# KiCad board clarinoid-devboard.kicad_pcb (continued)
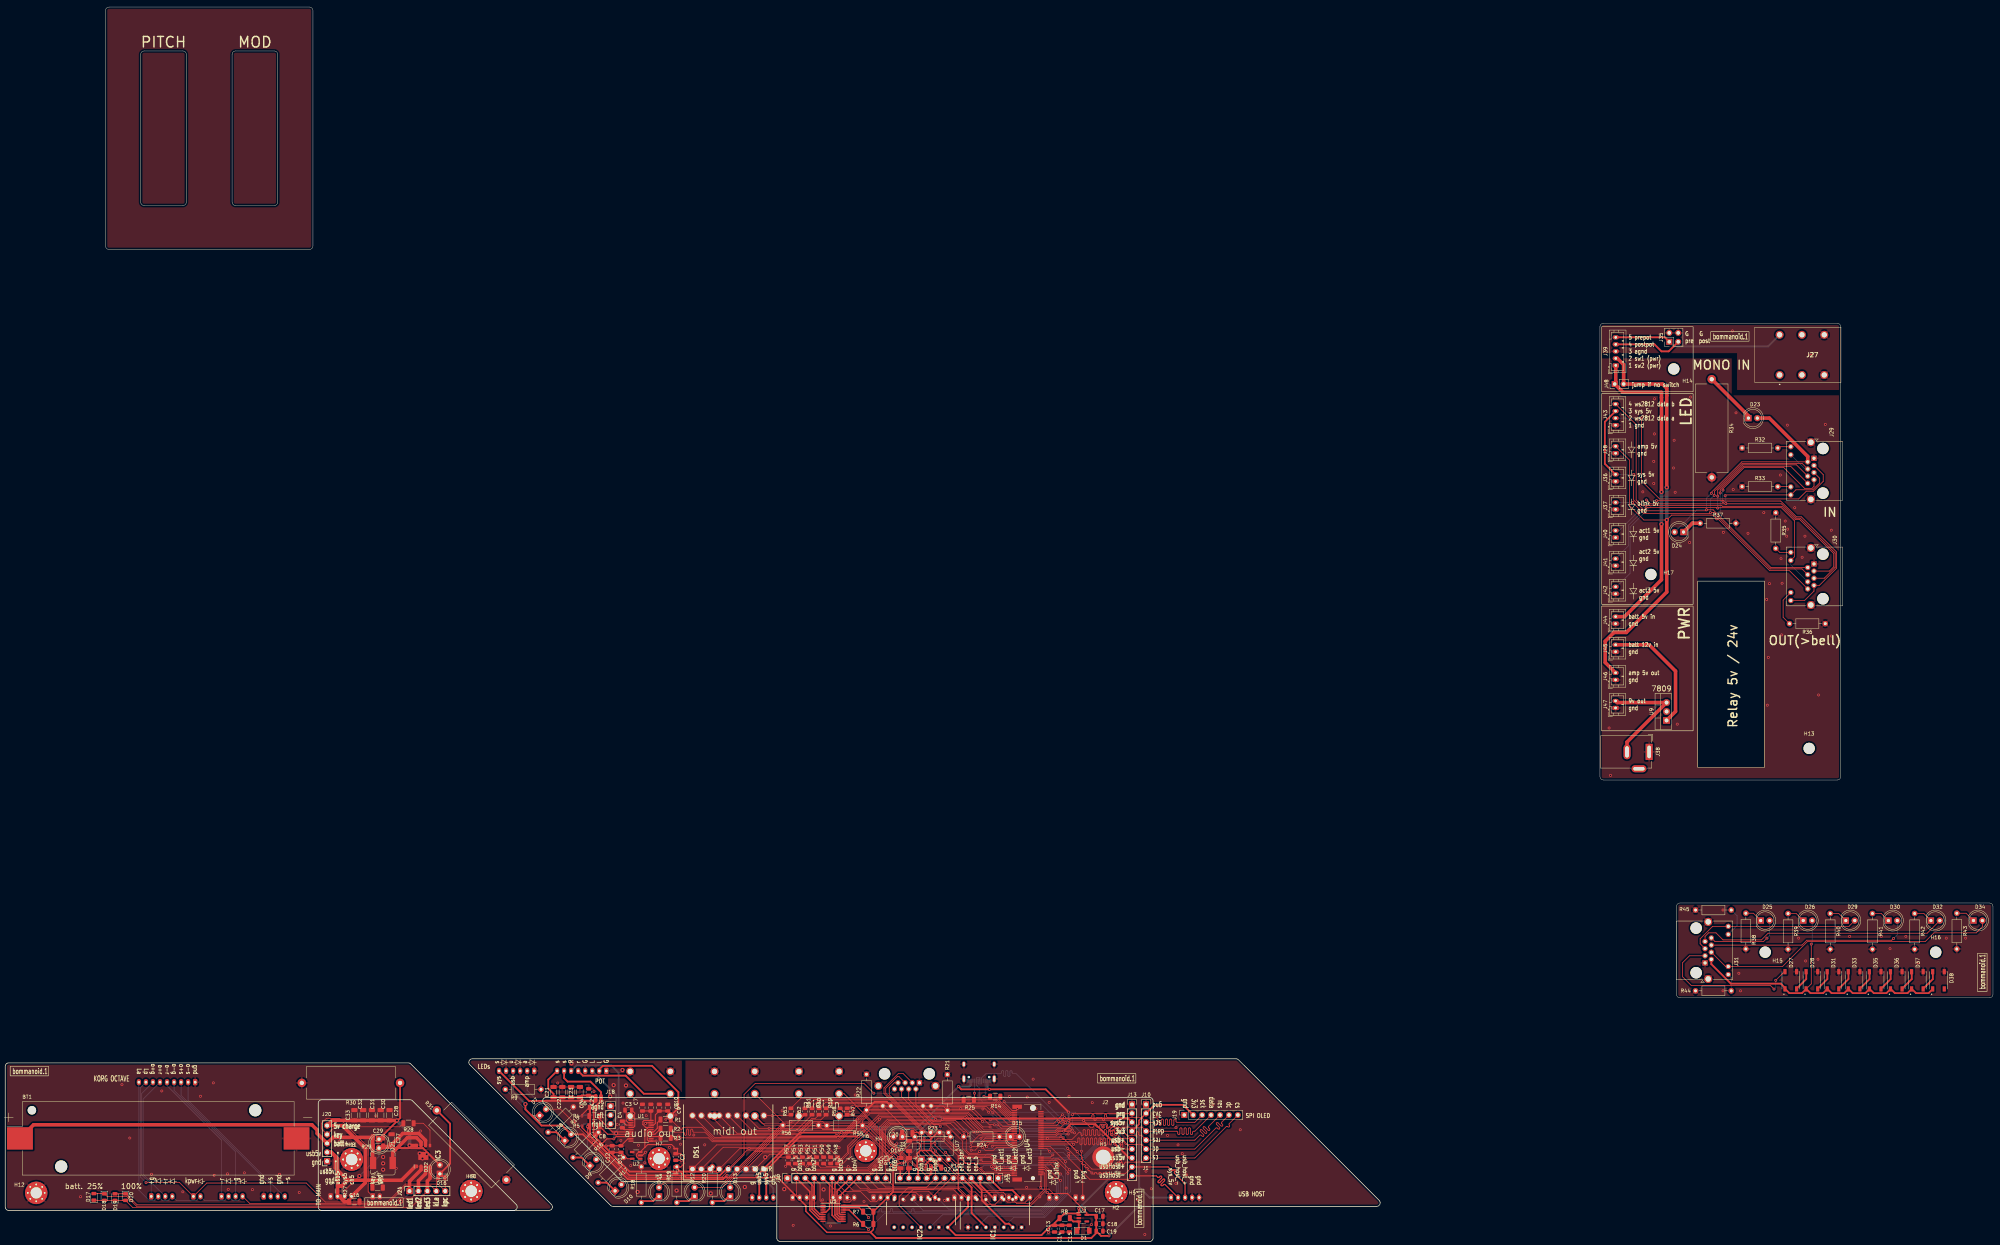
[diagram p0: board, top side]
## Routing (per net, layer and track width the routed paths; a pad name or vN(x,y) marks a point on that pad's centre or on a via; arc(x,y) is an arc through that point) (continued)
/bommanoid_main_top/oled_sck: length 58.9
  Top w0.2: 324.42,34 323.12,35.3 313.52,35.3 arc(313.31,35.39) 313.22,35.6 313.22,35.94 arc(313.13,36.16) 312.92,36.24 arc(312.71,36.16) 312.62,35.94 312.62,34.66 arc(312.53,34.44) 312.32,34.36 arc(312.11,34.44) 312.02,34.66 312.02,35 arc(311.93,35.21) 311.72,35.3 310.52,35.3 arc(310.31,35.21) 310.22,35 310.22,34.74 arc(310.13,34.53) 309.92,34.44 arc(309.71,34.53) 309.62,34.74 309.62,35.86 arc(309.53,36.07) 309.32,36.16 arc(309.11,36.07) 309.02,35.86 309.02,35.6 arc(308.93,35.39) 308.72,35.3 303.36,35.3 v1(302.46,34.4) ; U4.57 283.71,32.75 281.86,34.6 v1(280.07,34.6)
  Bottom w0.2: v1(280.07,34.6) 280.38,34.3 301.01,34.3 301.27,34.56 302.29,34.56 v1(302.46,34.4)
/bommanoid_main_top/prg: length 59.6
  Top w0.2: v1(277.47,23.2) 277.97,22.7 280.68,22.7 282.13,21.25 U4.11
  Bottom w0.2: v1(277.47,23.2) 279.2,24.93 297.23,24.93 297.63,25.34 300.9,25.34 301.87,24.37 306.68,24.37 318.77,36.46 J2.2
/bommanoid_main_top/sys_5v: length 135
  Top w0.2: 271.05,24.33 v1(266.68,28.7)
  Top w0.3: U4.9 281.99,20.75 280.49,22.25 273.12,22.25 271.05,24.33 271,24.28 271,14.77 IC1.14
  Top w0.4: 258.11,31.02 U7.8
  Top w0.5: C15.1 C13.1 ; C13.1 297.47,4.6 294.67,1.8 270.27,1.8 IC2.14 273.8,9.79 IC1.14 ; C13.1 298.39,5.21 R8.2 301.16,7.98 304.92,7.98 U3.1 305.3,9.38 v1(305.28,9.4)
  Bottom w0.2: v1(266.68,28.7) 262.94,28.7 U7.8
  Bottom w0.5: v1(305.28,9.4) 316.87,21 316.87,30.38 J2.3
/bommanoid_main_top/T00 MIDI IN: length 33.5
  Top w0.2: 266.1,31.02 272.82,24.3 280.19,24.3 280.99,23.5 281.01,23.5 281.26,23.25 U4.19
  Top w0.4: U7.6 265.1,31.02 262.94,28.86 257.22,28.86
/bommanoid_main_top/T01=MIDI OUT: length 38.2
  Top w0.2: R13.2 254.52,24.95 257.37,27.8 263.68,27.8 265.28,29.4 267.07,29.4 272.58,23.9 280.02,23.9 280.82,23.1 280.84,23.1 281.19,22.75 U4.17
/bommanoid_main_top/usb_data_+: length 59.4
  Top w0.2: U4.3 278.03,19.25 v1(276.07,21.2) ; 319.96,29.3 v1(315.54,29.3)
  Bottom w0.2: v1(315.54,29.3) 312.17,29.3 306.68,23.8 298.07,23.8 296.28,22 282.53,22 arc(282.39,22.06) 282.33,22.21 arc(282.26,22.35) 282.12,22.41 281.93,22.41 arc(281.79,22.35) 281.73,22.21 arc(281.66,22.06) 281.52,22 276.87,22 v1(276.07,21.2)
/bommanoid_main_top/usb_data_-: length 59.9
  Top w0.2: J2.6 316.92,26.3 v1(315.52,27.7) ; U4.5 278.53,19.75 v1(277.47,20.8)
  Bottom w0.2: v1(315.52,27.7) 311.15,27.7 306.85,23.4 298.64,23.4 296.84,21.6 286.32,21.6 arc(286.11,21.51) 286.02,21.3 286.02,21.05 arc(285.93,20.83) 285.72,20.75 arc(285.51,20.83) 285.42,21.05 285.42,21.3 arc(285.33,21.51) 285.12,21.6 arc(284.91,21.51) 284.82,21.3 284.82,21.05 arc(284.73,20.83) 284.52,20.75 arc(284.31,20.83) 284.22,21.05 284.22,21.3 arc(284.13,21.51) 283.92,21.6 arc(283.71,21.51) 283.62,21.3 283.62,21.05 arc(283.53,20.83) 283.32,20.75 arc(283.11,20.83) 283.02,21.05 283.02,21.3 arc(282.93,21.51) 282.72,21.6 278.28,21.6 v1(277.47,20.8)
/bommanoid_main_top/usb_host_+: length 54.9
  Top w0.2: v1(280.68,27.1) 280.83,27.25 U4.35 ; v1(302.15,26.47) 302.15,26.37 305.72,22.8 arc(305.79,22.77) 305.86,22.8 arc(305.93,22.83) 306,22.8 306.28,22.52 arc(306.31,22.45) 306.28,22.37 306.14,22.23 arc(306.11,22.16) 306.14,22.09 306.43,21.81 arc(306.5,21.78) 306.57,21.81 306.71,21.95 arc(306.78,21.98) 306.85,21.95 307.13,21.67 arc(307.16,21.6) 307.13,21.53 306.99,21.39 arc(306.96,21.31) 306.99,21.24 307.27,20.96 arc(307.35,20.93) 307.42,20.96 307.56,21.1 arc(307.63,21.13) 307.7,21.1 307.98,20.82 arc(308.01,20.75) 307.98,20.68 307.84,20.54 arc(307.81,20.47) 307.84,20.4 308.12,20.11 arc(308.19,20.08) 308.26,20.11 arc(308.34,20.14) 308.41,20.11 309.12,19.4 arc(309.19,19.37) 309.22,19.3 arc(309.25,19.23) 309.32,19.2 309.72,19.2 arc(309.79,19.23) 309.82,19.3 309.82,19.5 arc(309.85,19.57) 309.92,19.6 310.32,19.6 arc(310.39,19.57) 310.42,19.5 310.42,19.3 arc(310.45,19.23) 310.52,19.2 310.92,19.2 arc(310.99,19.23) 311.02,19.3 311.02,19.5 arc(311.05,19.57) 311.12,19.6 311.52,19.6 arc(311.59,19.57) 311.62,19.5 311.62,19.3 arc(311.65,19.23) 311.72,19.2 312.12,19.2 arc(312.19,19.23) 312.22,19.3 312.22,19.5 arc(312.25,19.57) 312.32,19.6 312.72,19.6 arc(312.79,19.57) 312.82,19.5 312.82,19.3 arc(312.85,19.23) 312.92,19.2 313.32,19.2 arc(313.39,19.23) 313.42,19.3 313.42,19.5 arc(313.45,19.57) 313.52,19.6 313.92,19.6 arc(313.99,19.57) 314.02,19.5 314.02,19.3 arc(314.05,19.23) 314.12,19.2 314.52,19.2 arc(314.59,19.23) 314.62,19.3 arc(314.65,19.37) 314.72,19.4 318.6,19.4 J2.8
  Bottom w0.2: v1(280.68,27.1) 280.98,27.4 301.22,27.4 v1(302.15,26.47)
/bommanoid_main_top/usb_host_-: length 54.6
  Top w0.2: v1(302.46,25.07) 302.46,23.66 308.42,17.7 319.44,17.7 J2.9 ; v1(279.07,27) 279.87,27.8 286.93,27.8
  Bottom w0.2: v1(279.07,27) 279.68,26.4 301.13,26.4 v1(302.46,25.07)
/bommanoid_main_top/ws2812_data_1: length 23.9
  Top w0.2: J3.8 261.98,15.4 256.82,15.4 254.22,12.8 254.22,10.23 IC2.11
/bommanoid_main_top/ws2812_data_3v3: length 60.1
  Top w0.2: U4.34 297.2,27 v1(301.5,22.7)
  Bottom w0.2: v1(301.5,22.7) 301.5,13.96 295.14,7.6 266.53,7.6 IC2.12
/cab/ain_postpot: length 19.7
  Top w0.5: J35.3 473.04,253.34 471,253.34 469,255.34 J39.4
/cab/ain_prepot: length 49
  Top w0.5: J35.1 471.95,257.34 J39.5
  Bottom w0.5: J27.6 501.31,254.77 474.53,254.77 J35.1
/cab/amp_5v: length 208
  Top w0.2: v1(487.7,213.04) 487.7,214.05 494.29,220.64 507.74,220.64 J29.8 ; J30.8 507.38,190.94 501.8,190.94 487.08,205.66 v1(486.72,205.66) 485.65,206.74 473.9,206.74 v2(472.5,205.34) 466.01,205.34 461.9,209.45 461.9,222.39 J28.2
  Top w1: v2(472.5,205.34) 472.5,184.84 461,173.34 457.5,173.34 455,170.84 455,164.79 J46.2 ; NT3.2 v2(472.5,214.64)
  Bottom w0.2: v1(487.7,213.04) 487.7,206.64 v1(486.72,205.66)
  Bottom w1: v2(472.5,205.34) v2(472.5,214.64)
/cab/amp_9v: length 33.4
  Top w1: J47.2 458.41,153.38 U9.3 461.2,142.14 J38.2
/cab/led_act1_5v: length 118.7
  Top w0.2: J30.5 517.3,188.78 520.4,191.88 520.4,195.94 510.5,205.84 509.23,205.84 505.13,209.94 489.4,209.94 v1(489.3,210.04) 489.2,209.94 467.8,209.94 v1(466.7,211.04) ; v1(489.1,212.24) 489.34,212.48 J29.12 509.23,213.94 514.04,213.94 516,215.9 516,217.21 J29.5
  Bottom w0.2: v1(466.7,211.04) 466.7,210.04 459,202.34 J40.2 ; v1(489.1,212.24) 489.3,212.04 v1(489.3,210.04)
/cab/led_act2_5v: length 116.8
  Top w0.2: J30.10 508.82,194.9 508.82,205.12 505.1,208.84 487.1,208.84 v1(487,208.74) 486.8,208.94 466.71,208.94 v1(466.62,208.85) ; v1(487,212.14) 487,213.91 494.13,221.04 509.38,221.04 J29.6
  Bottom w0.2: v1(466.62,208.85) 461.7,203.93 461.7,198.09 J41.2 ; J30.10 507.78,192.58 J30.6 ; v1(487,212.14) v1(487,208.74)
/cab/led_act3_5v: length 145.6
  Top w0.2: J30.12 511.68,182.42 514.38,185.12 J30.7 515.9,186.74 520.8,191.64 520.8,196.24 510.8,206.24 509.39,206.24 504.9,210.74 488.6,210.74 v1(488.5,210.64) 488.3,210.84 v1(469.6,210.84) ; J29.7 514.38,214.92 513.8,214.34 511.7,214.34 505.8,220.24 494.46,220.24 488.49,214.27 v1(488.49,213.85)
  Bottom w0.2: v1(488.49,213.85) 488.4,213.76 488.4,210.74 v1(488.5,210.64) ; 458.22,186.34 462.1,190.22 462.1,203.34 v1(469.6,210.84)
/cab/led_blink_5v: length 106.9
  Top w0.2: v1(462.8,210.34) 465.9,207.24 484.7,207.24 v1(484.9,207.44) 485.94,207.44 501.95,191.42 510.96,191.42 J30.4 ; J29.4 511.01,221.44 493.96,221.44 486.1,213.57 486.1,212.44 v1(486,212.34)
  Bottom w0.2: J29.4 511.83,219.85 J29.10 ; v1(484.9,207.44) 484.9,211.24 v1(486,212.34) ; J37.2 v1(462.8,210.34)
/cab/pot_sw1: length 21.9
  Top w1: J39.2 458.48,251.34 460.24,249.58 J48.2 471.3,244.04 472.5,242.84 NT3.1
/cab/pot_sw2: length 19.3
  Top w1: NT2.1 460.05,241.69 J48.1 ; J39.1 458,244.34
/cab/powerbank_5v: length 69.2
  Top w1: J44.2 460.5,177.84 471,188.34 v2(471,204.14) ; NT2.2 v2(471,213.34)
  Bottom w1: v2(471,213.34) v2(471,204.14)
/cab/powerbank_12v+: length 35.3
  Top w1: U9.1 475,150.86 475,162.34 467.5,169.84 J45.2
/cab/sys_5v: length 159.3
  Top w0.2: v1(463.1,218.34) 463.1,211.03 466.17,207.96 483.52,207.96 v1(483.8,208.24) 485.7,208.24 502.12,191.82 J30.2 ; v1(485.2,212.94) 485.2,213.24 493.84,221.88 J29.2
  Top w0.5: 457.9,218.34 454.9,221.34 454.9,233.29 J43.3
  Top w1: J29.2 512.6,223.43 501.69,234.34 D23.2
  Bottom w0.2: J36.2 v1(463.1,218.34) ; D24.2 481.06,208.24 v1(483.8,208.24) 483.8,211.54 v1(485.2,212.94)
/cab/ws2812_data_a: length 86.8
  Top w0.2: J29.3 517,218.24 517,216.34 514.2,213.54 512.2,213.54 510,211.34 470.48,211.34 465.3,216.52 v1(465.3,234.44)
  Bottom w0.2: v1(465.3,234.44) 465.2,234.34 J43.2
/cab/ws2812_data_b: length 102.2
  Top w0.2: J43.4 463.8,232.49 463.8,211.04 465.4,209.44 466.22,209.44 466.33,209.55 466.91,209.55 467.01,209.44 488.15,209.44 488.35,209.24 505.26,209.24 509.06,205.44 510.33,205.44 520,195.77 520,192.04 518.77,190.81 J30.3
Net-(C3-Pad1): length 4.3
  Top w0.3: 176.57,37.08 176.57,34.41 177.21,33.78 U1.2
Net-(C3-Pad2): length 6.2
  Top w0.3: U1.4 178.66,32.48 179.02,32.84 179.02,36.53 C3.2
Net-(C4-Pad1): length 2.7
  Top w0.3: U1.5 176.02,31.83 C4.1
Net-(C4-Pad2): length 2.9
  Top w0.3: U1.3 176.62,33.12 C4.2
Net-(C6-Pad1): length 7.8
  Top w0.3: C9.1 C6.1 184.87,36.03 184.87,33.62 184.38,33.12 U1.18
Net-(C16-Pad1): length 3.6
  Top w1: R27.2 96.41,11.34 C16.1
Net-(C27-Pad1): length 15.9
  Top w1: R29.2 109.35,27.04 C27.1 113.05,30.74 117.56,30.74 119.51,28.79 IC3.6
Net-(D1-Pad1): length 5.8
  Top w0.5: D1.1 305.3,3.56 U3.3 303.71,5.7 R8.1
Net-(D2-Pad1): length 6.4
  Top w0.4: D2.1 261.77,22.01 U7.2 ; 263.56,23.4 265.96,21
Net-(D7-Pad1): length 12.8
  Bottom w0.2: R9.1 149.67,35.85 D7.1
Net-(D8-Pad1): length 5.7
  Top w0.5: R15.1 156.72,31.11 D8.1
Net-(D9-Pad1): length 5.8
  Top w0.5: R16.1 163.93,23.9 D9.1
Net-(D10-Pad1): length 5.8
  Top w0.5: R17.1 171.07,16.75 D10.1
Net-(D11-Pad1): length 5.8
  Top w0.5: 185.92,13.24 184.18,11.5 180.87,11.5
Net-(D12-Pad1): length 5.8
  Top w0.5: 190.97,11.5 194.29,11.5 196.03,13.24
Net-(D13-Pad1): length 5.8
  Top w0.5: 201.08,11.5 204.4,11.5 206.14,13.24
Net-(D14-Pad1): length 3.5
  Top w0.2: D14.1 R23.1
Net-(D15-Pad1): length 3.1
  Top w0.2: R24.1 D15.1
Net-(D21-Pad1): length 18.5
  Top w0.5: R30.1 112.27,35.13 D21.1
Net-(D22-Pad1): length 20.9
  Top w0.5: R31.1 126.5,33.54 126.5,22.16 D22.1
Net-(D23-Pad1): length 15.4
  Top w1: D23.1 495.72,234.99 R34.1
Net-(D24-Pad1): length 5.8
  Top w1: D24.1 479.78,204.42 R37.1
Net-(D25-Pad1): length 5.1
  Top w0.2: D25.1 497.14,93.42 R38.1
Net-(D26-Pad1): length 5.2
  Top w0.2: R39.1 509.32,93.34 D26.1
Net-(D27-Pad2): length 6.1
  Top w0.5: 512.17,76.79 512.17,74.69 509.37,71.89
Net-(D28-Pad2): length 6.1
  Top w0.5: 518.17,76.79 518.17,74.69 515.38,71.89
Net-(D29-Pad1): length 5.3
  Top w0.2: D29.1 521.42,93.34 R40.1
Net-(D30-Pad1): length 5.4
  Top w0.2: D30.1 533.53,93.34 R41.1
Net-(D31-Pad2): length 6.1
  Top w0.5: 521.38,71.89 524.17,74.69 524.17,76.79
Net-(D32-Pad1): length 5.5
  Top w0.2: D32.1 545.62,93.34 R42.1
Net-(D33-Pad2): length 6.1
  Top w0.5: 530.17,76.79 530.17,74.69 527.38,71.89
Net-(D34-Pad1): length 5.6
  Top w0.2: R43.1 557.64,93.42 D34.1
Net-(D35-Pad2): length 6.1
  Top w0.5: 536.17,76.79 536.17,74.69 533.38,71.89
Net-(D36-Pad2): length 6.1
  Top w0.5: 539.38,71.89 542.17,74.69 542.17,76.79
Net-(D37-Pad2): length 6.1
  Top w0.5: 548.17,76.79 548.17,74.69 545.38,71.89
Net-(DS1-Pad1): length 45.6
  Top w0.2: R48.2 233.23,27.5 202.32,27.5 DS1.1
Net-(DS1-Pad2): length 40.5
  Top w0.2: R49.2 231.91,26.82 204.18,26.82 DS1.2
Net-(DS1-Pad4): length 33.1
  Top w0.2: R50.2 230.31,26.42 208.86,26.42 DS1.4
Net-(DS1-Pad5): length 28.2
  Top w0.2: DS1.5 211,26.02 228.71,26.02 R51.2
Net-(DS1-Pad6): length 23.3
  Top w0.2: R52.2 227.11,25.62 213.14,25.62 DS1.6
Net-(DS1-Pad7): length 18.5
  Top w0.2: R53.2 225.51,25.22 215.28,25.22 DS1.7
Net-(DS1-Pad8): length 13.6
  Top w0.2: R54.2 223.91,24.83 217.43,24.83 DS1.8
Net-(DS1-Pad9): length 8.4
  Top w0.2: R57.2 219.15,24.01 DS1.9
Net-(DS1-Pad10): length 7.4
  Top w0.2: 223.17,35.84 DS1.10
Net-(DS1-Pad11): length 9.1
  Top w0.2: DS1.11 215.94,33.1 R56.1
Net-(DS1-Pad12): length 20
  Top w0.2: DS1.12 214.4,32.1 220.62,32.1 220.71,32 223.33,32 R62.1
Net-(DS1-Pad13): length 24.9
  Top w0.2: R61.1 225.13,31.8 224.99,31.8 224.79,31.6 212.36,31.6 DS1.13
Net-(DS1-Pad14): length 29.8
  Top w0.2: DS1.14 210.22,31.2 225.56,31.2 229.35,35 230.33,35 R60.1
Net-(DS1-Pad15): length 34.7
  Top w0.2: R59.1 231.93,34.6 229.52,34.6 225.72,30.8 208.08,30.8 DS1.15
Net-(DS1-Pad16): length 37.5
  Top w0.2: DS1.16 205.94,30.4 226.18,30.4 229.98,34.2 232.44,34.2 R55.1
Net-(DS1-Pad17): length 48.9
  Top w0.2: v1(236.54,30.78) 235.77,30 203.8,30 DS1.17 ; v1(235.72,36) 237.33,36
  Bottom w0.2: v1(235.72,36) 237.02,34.7 237.02,31.25 v1(236.54,30.78)
Net-(DS1-Pad18): length 54.6
  Top w0.2: 239.48,36.14 v1(241.18,36.14) ; v1(237.86,31.11) 236.36,29.6 201.66,29.6 DS1.18
  Bottom w0.2: v1(241.18,36.14) 241.18,33.49 238.49,30.8 238.17,30.8 v1(237.86,31.11)
Net-(IC3-Pad5): length 9.9
  Top w0.2: R28.1 118.88,33.64 120.78,31.74 IC3.5
Net-(IC3-Pad7): length 14.3
  Top w1: IC3.7 118.24,28.27 116.97,29.54 114.38,29.54 110.17,25.34 L1.1
Net-(J6-PadA5): length 5.3
  Top w0.2: v1(275.62,42.2) 275.62,40.44
  Bottom w0.2: v1(275.62,42.2) 275.67,42.25 J6.A5
Net-(J6-PadB5): length 6.2
  Top w0.2: v1(278.32,41.3) 279.96,41.3
  Bottom w0.2: v1(278.32,41.3) 278.67,41.65 J6.B5
Net-(J17-Pad9): length 5.2
  Top w0.2: J17.9 266.69,38.58 R21.2
Net-(J17-Pad11): length 8.4
  Top w0.5: J17.11 250.65,39.78 247.28,39.78 R22.2
Net-(J29-Pad9): length 3.3
  Top w0.2: J29.9 504.44,226.2
Net-(J29-Pad11): length 3.6
  Top w0.2: R33.2 507.7,214.84
Net-(J30-Pad9): length 4.7
  Top w0.2: J30.9 504.62,196.14 R35.2
Net-(J30-Pad11): length 10.5
  Top w0.2: R36.2 505.6,177.66 505.6,182.54 J30.11
Net-(J31-Pad9): length 5
  Bottom w0.2: J31.9 490.85,75.12 R44.2
Net-(J31-Pad11): length 8.6
  Bottom w0.2: R45.2 492.5,92.7 492.5,89.91 J31.11
Net-(R1-Pad2): length 5.1
  Top w0.3: U1.15 184.38,31.18 185.42,32.21 185.42,33.79 R1.2
Net-(R2-Pad2): length 3.3
  Top w0.3: U1.14 184.76,30.53 R2.2
Net-(R3-Pad2): length 2.3
  Top w0.3: U1.13 185.96,29.88
Net-(R4-Pad1): length 11.3
  Top w0.3: U1.6 172.67,31.18 169.01,34.84 R4.1
Net-(R5-Pad1): length 9.9
  Top w0.3: R5.1 171.28,30.53 U1.7

## Copper pours and planes (outline as drawn; the poured copper is in the pictures)
/bell/gnd on Top, Bottom: 565.28,69.34 475.28,69.34 475.28,96.34 565.28,96.34
/bommanoid_batt_bottom/gnd on Top, Bottom: 157,8.84 0,8.84 0,50.84 115,50.84
/bommanoid_batt_top/gnd on Top, Bottom: 147,8.84 89,8.84 89,40.84 115,40.84
/bommanoid_main_bottom/agnd on Top, Bottom: 192.42,52 192.42,24 179.42,24 171.42,32 171.42,47 160.42,47 160.42,52
/bommanoid_main_bottom/gnd on Top, Bottom: 392.42,9.5 172.42,9.5 130.42,51.5 159.42,51.5 159.42,45.5 170.42,45.5 170.42,30.5 178.42,22.5 180.92,22.5 184.42,19 187.42,19 190.92,22.5 193.42,22.5 193.42,51.5 350.42,51.5
/bommanoid_main_top/agnd on Top, Bottom: 179.42,41 179.42,29.2 176.97,29.2 176.97,26.3 179.07,26.3 179.07,21.2 184.28,21.2 187.68,23 189.28,23 189.28,17 175.42,17 151.42,41
/bommanoid_main_top/gnd on Top, Bottom: 326.42,0 219.42,0 219.42,17 189.87,17 189.87,23.8 189.28,23.8 185.07,26 183.28,21.8 179.87,21.8 179.87,27 177.68,27 177.68,28.4 179.94,28.4 179.94,41 326.42,41
/cab/agnd on Top, Bottom: 522,242.34 494,242.34 492.5,242.34 492.5,252.84 453.5,252.84 453.5,261.34 522,261.34
/cab/gnd on Top, Bottom: 522,131.34 453.5,131.34 453.5,251.34 491,251.34 491,240.84 522,240.84
(no net) on Top, Bottom: 87.5,282.34 28.5,282.34 28.5,351.34 87.5,351.34
(no net) on Top, Bottom: -767.25,-282.16 -826.25,-282.16 -826.25,-213.16 -767.25,-213.16

## Text on the board
B.Silkscreen: gnd / o-s / o+s / o-g / o-r / o+r / o+g / Lp / La | POT | TO PWR | USB HOST | SPI OLED | jump if no switch | 5 prepot / 4 postpot / 3 agnd / 2 sw1 (pwr) / 1 sw2 (pwr) | 4 ws2812 data b / 3 sys 5v / 2 ws2812 data a / 1 gnd | 9v out / gnd | batt 12v in / gnd | amp 5v out / gnd | batt 5v in / gnd | blink 5v / gnd | amp 5v / gnd | sys 5v / gnd | act1 5v / gnd | act2 5v / gnd | act3 5v / gnd | G    G / post pre | TO MAIN | key / gnd | s / u / a | s / s / R / r / G / L / l / G | g / usb5 / sys5 / ch5 | g / btn1 / g / btn2 | g / btn3 / g / btn4 | g / btn5 / g / btn6 | g / btn7 / g / btn8 | g / enc_btn / enc_a / enc_b | gnd / l_act1 / gnd / l_act2 / gnd / l_act3 | gnd / l_blink | gnd / prg | LEDs | gnd / gnd / usb_host_+ / usb_host_- / sys_5v | cs / dc / res / data / sck / 3v3 / gnd | bommanoid.1 | KORG OCTAVE | 5v charge / key / batt+ | agnd / left / right | gnd / prg / sys5v / 3v3 / usb+ / usb- / usb5v / usbHost+ / usbHost- | gnd / prg / sys5v / 3v3 / usb+ / usb- / {dblquote}5v / {dblquote}H+ / {dblquote}H- | usb5v / gnd | +g | +r | -r | -g | gnd / +s / gnd / -s | led1 / led2 / led3 / kLa / kpc | kpwr | 7809 | audio out | midi out | midi in | Relay 5v / 24v | MONO IN | OUT(>bell) | IN | PWR | LED
User.Comments: RJ45 | NC  COMM  ON | +5v GND IN | bottom side of bottom will have the externally- / connecting headers, for space reasons. good / because it's the only one big enough for all this. / purpose: / - battery / - emphasize multi-layer effect with under-side LEDs / these are to be hand-soldered / replaceable, / and hand-soldered resistor. far away from each other with / items between, to make sure the blend is broken up. / - put battery charge indicators down here where they might / be slightly less emphasized | top is quite small because the battery should / poke up, and the remaining {dblquote}panhandle{dblquote} is too / small to matter. this probably helps the 3D effect / too. / purpose: / - display the charging circuit / - octave LEDs / - amp power LED / no need for general pwr led; the charge leds / take that purpose | bottom side of bottom will have the externally- / connecting headers. they're ugly so best to stick / down here. | purpose: / - display circuits and micromod / - use mcp23017 because cooler looking and / already have code, and devices | to main: / - gnd / - USB 5v in / - charge 5v out / - AGND / - Aleft-prepot / - Aright-prepot / - Aleft-postpot / - Aright-postpot | HDR to top / - GND / - bat + / - usb 5v in / - charge output 5v / - key / - charge led 1 / - charge led 2 / - charge led 3 / - korg pwr led anode / - korg oct led cathode | WIRE: / - korg oct -, gnd / - korg oct +, gnd / - korg oct-2 led, gnd / - korg oct-1 led, gnd / - korg oct+1 led, gnd / - korg oct+2 led, gnd | LEDs / ---------- / amp power / usb power 5v / 5v post charger, post pot / blink / act1 / act2 / act3 | to batt / - gnd / - USB 5v in / - 5v out / - AGND / - Aleft-prepot / - Aright-prepot / - Aleft-postpot / - Aright-postpot | audio / out | midi / out | LEDs: / - usbpwr / - sys power / - amp power / - blink / - act1 / - act2 / - act3 | WIRE 2xN: / - button x1, gnd / - button x2, gnd / - button x3, gnd / - button x4, gnd / - button x5, gnd (not used) / - button x6, gnd (not used) / - button x7, gnd (not used) / - button x8, gnd (not used) / - enc a, b / - enc btn, gnd / - led1, led2 (usb pwr) (system pwr) / - led3, 4 (blink) (activity1) / - led5, 6 (activity2, activity3) / - led7 (amp pwr), led gnd / - ws2812b data out 5v, in 5v / - ws2812b gnd, +5v | midi / in | rj45: / - ws2812 gnd / - ws2812 5v (pwr) / - ws2812 data / - LED1 (blink) / - LED2 (activity1) / - LED3 (activity2) / - LED4 (activity3) / - speaker power on (5v) (IN) | OLEDx07 | TO TOP / (pwr, 7p) / - gnd / - prg / - 5v system (to top) / - 3v3 (from top) / - USB data + / - USB data - / - USB 5v / (btn, 12p) / - gnd / - btn 1 / - btn 2 / - btn 3 / - btn 4 / - btn 5 / - btn 6 / - btn 7 / - btn 8 / - enc a / - enc b / - enc btn / (led,midi,11p) / - gnd / - led1 (blink) / - led2 (act1) / - led3 (act2) / - led4 (act3) / - rj45_led_yellow / - rj45_led_green / - ws2812b data / - midi out a / - midi in a / - midi in b / (audio, 3p) / - agnd / - aleft-prepot / - aright-prepot / 7x OLED | don't put leds by the oled, / would be distracting | RJ45 to cab / <forward from main> | RJ45 thru | audio in | 53x18 relay from tinytronics. | wire: / - amp power A, B / - led1, g (sys pwr) / - led2, g (blink) / - led3, g (act1 / - led4, g act2 / - led5, g act3 / - led6, g speaker pwr / - amp < AGND / - amp < ALEFT / - amp < ARIGHT | JST-PH vertical requires 20mm clearance with wires. that means / interconnects will go under. / give 1mm clearance to top panel for aluminum profile. / micromod screw is tallest @ about 4.5mm. / kingbright display is a full 8mm tall though. / 5mm LEDs are ~9mm tall. hand-soldered can be taller. / if we want to get bold, the top layer can overhang the bottom. | MAIN PCB / LEDs: / - 4x ws2812 / - power LED SMD / - amp LED SMD / - under-light A (hand-solder) / - under-light B (hand-solder) / to batt: / - GND / - USB power (for charging) / - +5v / - WS2812 OUT / - WS2812 IN / - agnd out / - aleft pre-pot / - aright post-pot / - aleft post-pot / - aright post-pot / wire: / - ws2812 case in / - button x1 / - button x2 / - btn12 gnd / - button x3 / - button x4 / - btn34 gnd / - encA / - encB / - encbutton / - enc gnd / - LED1 / - LED2 / - LED3 / - LED4 / - led gnd / rj45: / - ws2812 gnd / - ws2812 5v / - ws2812 data / - LED1 / - LED2 / - LED3 / - LED4 / - speaker power on (5v) (IN) | BATT TOP - sketch | BATT BOTTOM - sketch | charging leds | joy (x=pitch, y=mod) | to korg | x1 x2 | korg pwr | bommanoid pwr | korg on off | charge | Vol+pwr | oct- oct+ | x3  x4 | enc | led12345, panel mount 5mm | 5mm riser necessary for clearance in the front | MAIN BOTTOM (bottom assembly) | MAIN TOP (top assembly) | front | CAB PANEL - sketch | BELL - sketch | - various breakouts for JST-PH / - RJ45 breakouts
User.Drawings: holes enlarged by .5 / M3 screws
F.Silkscreen: LEDs | POT | TO PWR | USB HOST | SPI OLED | 5 prepot / 4 postpot / 3 agnd / 2 sw1 (pwr) / 1 sw2 (pwr) | 4 ws2812 data b / 3 sys 5v / 2 ws2812 data a / 1 gnd | batt 5v in / gnd | batt 12v in / gnd | amp 5v out / gnd | 9v out / gnd | jump if no switch | amp 5v / gnd | sys 5v / gnd | blink 5v / gnd | act1 5v / gnd | act2 5v / gnd | act3 5v / gnd | G    G / pre  post | TO MAIN | g / usb5 / sys5 / ch5 | key / gnd | s / u / a | s / s / R / r / G / L / l / G | g / btn1 / g / btn2 | g / btn3 / g / btn4 | g / btn5 / g / btn6 | g / btn7 / g / btn8 | g / enc_btn / enc_a / enc_b | gnd / l_act1 / gnd / l_act2 / gnd / l_act3 | gnd / l_blink | gnd / prg | sys / usb / amp | gnd / o-s / o+s / o-g / o-r / o+r / o+g / Lp / La | gnd / gnd / usb_host_+ / usb_host_- / sys_5v | cs / dc / res / data / sck / 3v3 / gnd | bommanoid.1 | KORG OCTAVE | kpwr | 5v charge / key / batt+ | usb5v / gnd | agnd / left / right | gnd / prg / sys5v / 3v3 / usb+ / usb- / usb5v / usbHost+ / usbHost- | gnd / prg / sys5v / 3v3 / usb+ / usb- / {dblquote}5v / {dblquote}H+ / {dblquote}H- | +g | +r | -r | -g | gnd / +s / gnd / -s | led1 / led2 / led3 / kLa / kpc | batt. 25% | 100% | 7809 | audio out | midi out | midi in | MONO IN | OUT(>bell) | IN | Relay 5v / 24v | PITCH | MOD | PWR | LED
